# Altium PCB FMC_ADC_128CH_10B.PcbDoc (part 3 of 14) (continued)
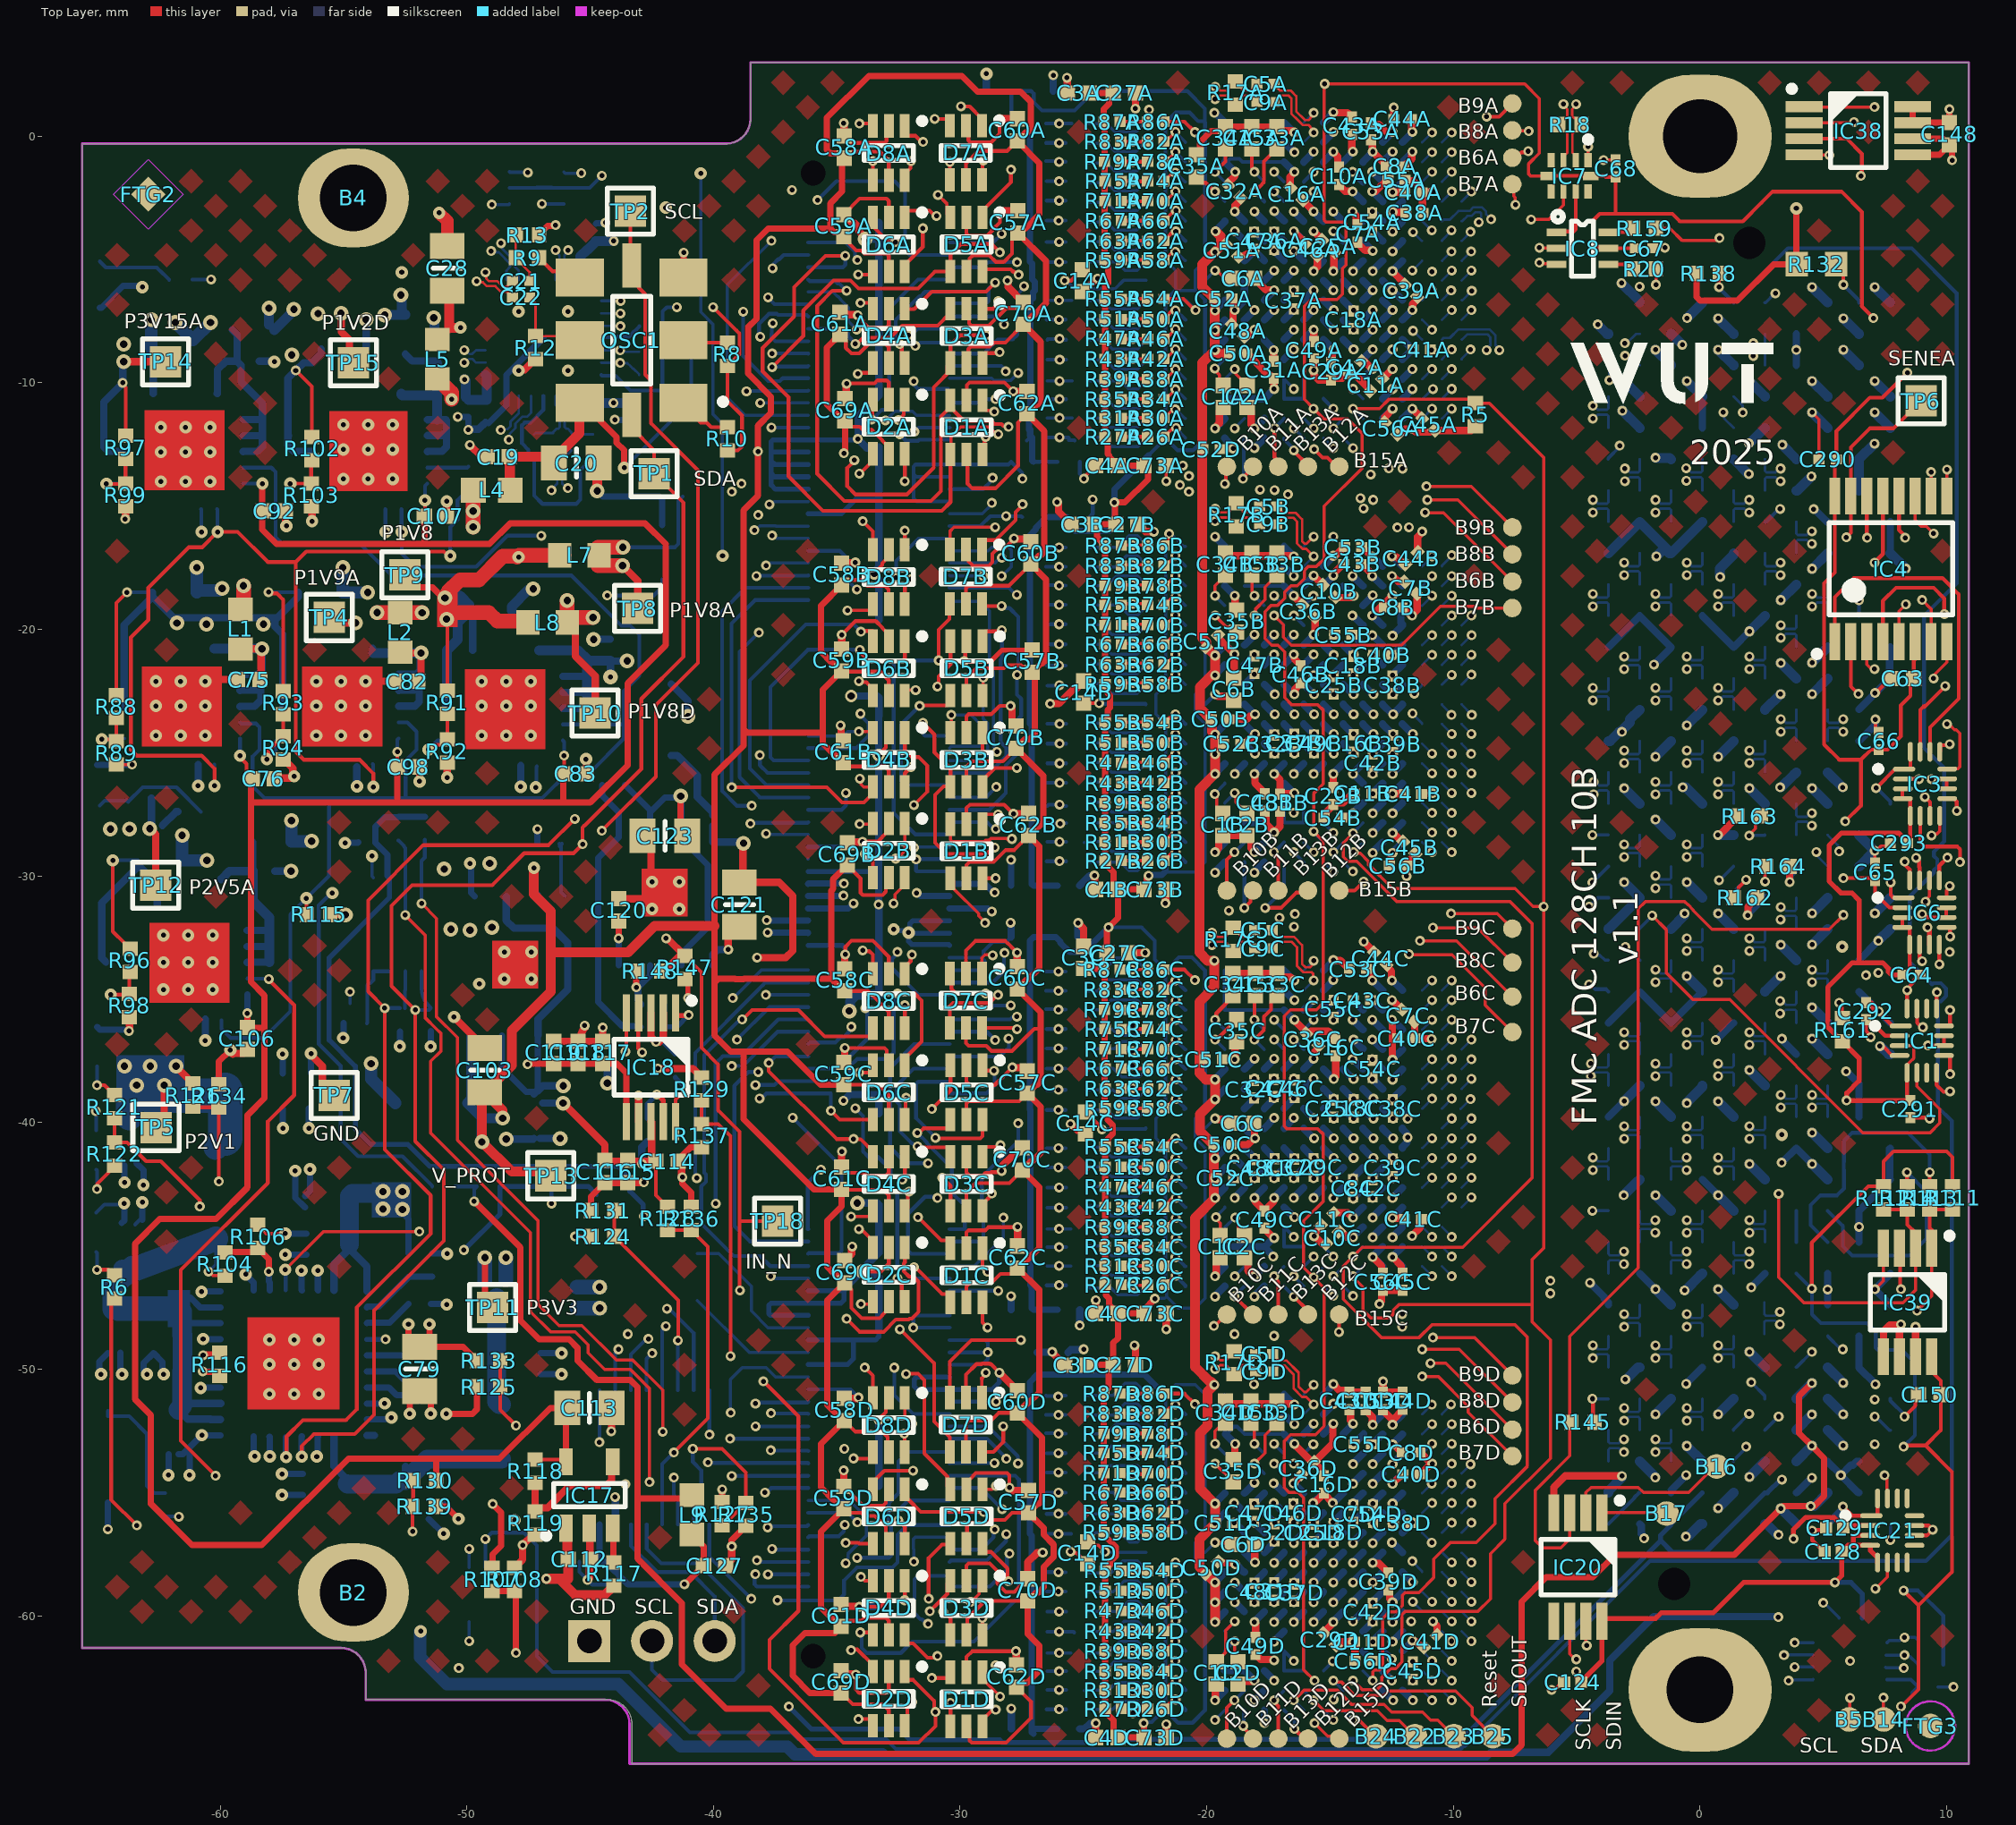
[diagram p0: Top Layer view]
## Part data (continued)
R89 R92 R94 R98: library part R0402_24K_1%_0.0625W_100PPM, "Resistor - 1%", Case=0402, Manufacturer=GENERIC, Manufacturer1 ComponentHeight=0.4mm, Manufacturer1 Example="YAGEO PHYCOMP", Manufacturer1 Part Number=232270672403L, Power=0.0625W, Tolerance=±1%, Author="CERN DEM JLC", Component Type=Standard, CreateDate=03.12.2007, HelpURL=\\cern.ch\dfs\Applications\Altium\Datasheets\R0402_Phycomp_RC0402.pdf, LatestRevisionDate=17.10.2012, Manufacturer Part Number=R0402_24K_1%_0.0625W_100PPM, Mounted=Yes, Part Description="General Purpose Thick Film Chip Resistor", Part Number=R0402_24K_1%_0.0625W_100PPM, Pin Count=2, PressFit=No, Sense=No, SMD=Yes, Socket=No, Status="Not Recommended", TC=±100ppm/°C
R91: library part R0402_30K_1%_0.0625W_100PPM, "Resistor - 1%", Case=0402, Manufacturer=GENERIC, Manufacturer1 ComponentHeight=0.4mm, Manufacturer1 Example="YAGEO PHYCOMP", Manufacturer1 Part Number=232270673003L, Power=0.0625W, Tolerance=±1%, Author="CERN DEM JLC", Component Type=Standard, CreateDate=03.12.2007, HelpURL=\\cern.ch\dfs\Applications\Altium\Datasheets\R0402_Phycomp_RC0402.pdf, LatestRevisionDate=17.10.2012, Manufacturer Part Number=R0402_30K_1%_0.0625W_100PPM, Mounted=Yes, Part Description="General Purpose Thick Film Chip Resistor", Part Number=R0402_30K_1%_0.0625W_100PPM, Pin Count=2, PressFit=No, Sense=No, SMD=Yes, Socket=No, Status="Not Recommended", TC=±100ppm/°C
R96: library part R0402_51K_1%_0.0625W_100PPM, "Resistor - 1%", Case=0402, Manufacturer=GENERIC, Manufacturer1 ComponentHeight=0.4mm, Manufacturer1 Example="YAGEO PHYCOMP", Manufacturer1 Part Number=232270675103L, Power=0.0625W, Tolerance=±1%, Author="CERN DEM JLC", Component Type=Standard, CreateDate=03.12.2007, HelpURL=\\cern.ch\dfs\Applications\Altium\Datasheets\R0402_Phycomp_RC0402.pdf, LatestRevisionDate=17.10.2012, Manufacturer Part Number=R0402_51K_1%_0.0625W_100PPM, Mounted=Yes, Part Description="General Purpose Thick Film Chip Resistor", Part Number=R0402_51K_1%_0.0625W_100PPM, Pin Count=2, PressFit=No, Sense=No, SMD=Yes, Socket=No, Status="Not Recommended", TC=±100ppm/°C
R97: library part R0402_47K_1%_0.0625W_100PPM, "Resistor - 1%", Case=0402, Manufacturer=GENERIC, Manufacturer1 ComponentHeight=0.4mm, Manufacturer1 Example="YAGEO PHYCOMP", Manufacturer1 Part Number=232270674703L, Power=0.0625W, Tolerance=±1%, Author="CERN DEM JLC", Component Type=Standard, CreateDate=03.12.2007, HelpURL=\\cern.ch\dfs\Applications\Altium\Datasheets\R0402_Phycomp_RC0402.pdf, LatestRevisionDate=17.10.2012, Manufacturer Part Number=R0402_47K_1%_0.0625W_100PPM, Mounted=Yes, Part Description="General Purpose Thick Film Chip Resistor", Part Number=R0402_47K_1%_0.0625W_100PPM, Pin Count=2, PressFit=No, Sense=No, SMD=Yes, Socket=No, Status="Not Recommended", TC=±100ppm/°C
R99: library part R0402_16K_1%_0.0625W_100PPM, "Resistor - 1%", Case=0402, Manufacturer=GENERIC, Manufacturer1 ComponentHeight=0.4mm, Manufacturer1 Example="YAGEO PHYCOMP", Manufacturer1 Part Number=232270671603L, Power=0.0625W, Tolerance=±1%, Author="CERN DEM JLC", Component Type=Standard, CreateDate=03.12.2007, HelpURL=\\cern.ch\dfs\Applications\Altium\Datasheets\R0402_Phycomp_RC0402.pdf, LatestRevisionDate=17.10.2012, Manufacturer Part Number=R0402_16K_1%_0.0625W_100PPM, Mounted=Yes, Part Description="General Purpose Thick Film Chip Resistor", Part Number=R0402_16K_1%_0.0625W_100PPM, Pin Count=2, PressFit=No, Sense=No, SMD=Yes, Socket=No, Status="Not Recommended", TC=±100ppm/°C
R103 R134: library part R0402_20K_1%_0.0625W_100PPM, "Resistor - 1%", Case=0402, Manufacturer=GENERIC, Manufacturer1 ComponentHeight=0.4mm, Manufacturer1 Example="YAGEO PHYCOMP", Manufacturer1 Part Number=232270672003L, Power=0.0625W, Tolerance=±1%, Author="CERN DEM JLC", Component Type=Standard, CreateDate=03.12.2007, HelpURL=\\cern.ch\dfs\Applications\Altium\Datasheets\R0402_Phycomp_RC0402.pdf, LatestRevisionDate=17.10.2012, Manufacturer Part Number=R0402_20K_1%_0.0625W_100PPM, Mounted=Yes, Part Description="General Purpose Thick Film Chip Resistor", Part Number=R0402_20K_1%_0.0625W_100PPM, Pin Count=2, PressFit=No, Sense=No, SMD=Yes, Socket=No, Status="Not Recommended", TC=±100ppm/°C
R104 R125: library part R0402_7K5_1%_0.0625W_100PPM, "Resistor - 1%", Case=0402, Manufacturer=GENERIC, Manufacturer1 ComponentHeight=0.4mm, Manufacturer1 Example="YAGEO PHYCOMP", Manufacturer1 Part Number=232270677502L, Power=0.0625W, Tolerance=±1%, Author="CERN DEM JLC", Component Type=Standard, CreateDate=03.12.2007, HelpURL=\\cern.ch\dfs\Applications\Altium\Datasheets\R0402_Phycomp_RC0402.pdf, LatestRevisionDate=17.10.2012, Manufacturer Part Number=R0402_7K5_1%_0.0625W_100PPM, Mounted=Yes, Part Description="General Purpose Thick Film Chip Resistor", Part Number=R0402_7K5_1%_0.0625W_100PPM, Pin Count=2, PressFit=No, Sense=No, SMD=Yes, Socket=No, Status="Not Recommended", TC=±100ppm/°C
R106 R129: library part R0402_3K_1%_0.0625W_100PPM, "Resistor - 1%", Case=0402, Manufacturer=GENERIC, Manufacturer1 ComponentHeight=0.4mm, Manufacturer1 Example="YAGEO PHYCOMP", Manufacturer1 Part Number=232270673002L, Power=0.0625W, Tolerance=±1%, Author="CERN DEM JLC", Component Type=Standard, CreateDate=03.12.2007, HelpURL=\\cern.ch\dfs\Applications\Altium\Datasheets\R0402_Phycomp_RC0402.pdf, LatestRevisionDate=17.10.2012, Manufacturer Part Number=R0402_3K_1%_0.0625W_100PPM, Mounted=Yes, Part Description="General Purpose Thick Film Chip Resistor", Part Number=R0402_3K_1%_0.0625W_100PPM, Pin Count=2, PressFit=No, Sense=No, SMD=Yes, Socket=No, Status="Not Recommended", TC=±100ppm/°C
R107: library part R0402_6K8_1%_0.0625W_100PPM, "Resistor - 1%", Case=0402, Manufacturer=GENERIC, Manufacturer1 ComponentHeight=0.4mm, Manufacturer1 Example="YAGEO PHYCOMP", Manufacturer1 Part Number=232270676802L, Power=0.0625W, Tolerance=±1%, Author="CERN DEM JLC", Component Type=Standard, CreateDate=03.12.2007, HelpURL=\\cern.ch\dfs\Applications\Altium\Datasheets\R0402_Phycomp_RC0402.pdf, LatestRevisionDate=17.10.2012, Manufacturer Part Number=R0402_6K8_1%_0.0625W_100PPM, Mounted=Yes, Part Description="General Purpose Thick Film Chip Resistor", Part Number=R0402_6K8_1%_0.0625W_100PPM, Pin Count=2, PressFit=No, Sense=No, SMD=Yes, Socket=No, Status="Not Recommended", TC=±100ppm/°C
R108 R130 R133: library part R0402_1K5_1%_0.0625W_100PPM, "Resistor - 1%", Case=0402, Manufacturer=GENERIC, Manufacturer1 ComponentHeight=0.4mm, Manufacturer1 Example="YAGEO PHYCOMP", Manufacturer1 Part Number=232270671502L, Power=0.0625W, Tolerance=±1%, Author="CERN DEM JLC", Component Type=Standard, CreateDate=03.12.2007, HelpURL=\\cern.ch\dfs\Applications\Altium\Datasheets\R0402_Phycomp_RC0402.pdf, LatestRevisionDate=17.10.2012, Manufacturer Part Number=R0402_1K5_1%_0.0625W_100PPM, Mounted=Yes, Part Description="General Purpose Thick Film Chip Resistor", Part Number=R0402_1K5_1%_0.0625W_100PPM, Pin Count=2, PressFit=No, Sense=No, SMD=Yes, Socket=No, Status="Not Recommended", TC=±100ppm/°C
R109: library part R0402_2K4_1%_0.0625W_100PPM, "Resistor - 1%", Case=0402, Manufacturer=GENERIC, Manufacturer1 ComponentHeight=0.4mm, Manufacturer1 Example="YAGEO PHYCOMP", Manufacturer1 Part Number=232270672402L, Power=0.0625W, Tolerance=±1%, Author="CERN DEM JLC", Component Type=Standard, CreateDate=03.12.2007, HelpURL=\\cern.ch\dfs\Applications\Altium\Datasheets\R0402_Phycomp_RC0402.pdf, LatestRevisionDate=17.10.2012, Manufacturer Part Number=R0402_2K4_1%_0.0625W_100PPM, Mounted=Yes, Part Description="General Purpose Thick Film Chip Resistor", Part Number=R0402_2K4_1%_0.0625W_100PPM, Pin Count=2, PressFit=No, Sense=No, SMD=Yes, Socket=No, Status="Not Recommended", TC=±100ppm/°C
R110 R119: library part R0402_1K8_1%_0.0625W_100PPM, "Resistor - 1%", Case=0402, Manufacturer=GENERIC, Manufacturer1 ComponentHeight=0.4mm, Manufacturer1 Example="YAGEO PHYCOMP", Manufacturer1 Part Number=232270671802L, Power=0.0625W, Tolerance=±1%, Author="CERN DEM JLC", Component Type=Standard, CreateDate=03.12.2007, HelpURL=\\cern.ch\dfs\Applications\Altium\Datasheets\R0402_Phycomp_RC0402.pdf, LatestRevisionDate=17.10.2012, Manufacturer Part Number=R0402_1K8_1%_0.0625W_100PPM, Mounted=Yes, Part Description="General Purpose Thick Film Chip Resistor", Part Number=R0402_1K8_1%_0.0625W_100PPM, Pin Count=2, PressFit=No, Sense=No, SMD=Yes, Socket=No, Status="Not Recommended", TC=±100ppm/°C
R113 R114: library part R0402_0R_JUMPER, "Resistor - 1%", Case=0402, Manufacturer=GENERIC, Manufacturer1 ComponentHeight=0.4mm, Manufacturer1 Example=PHYCOMP, Manufacturer1 Part Number=232270591001, Author="CERN DEM JLC", Component Type=Standard, CreateDate=2007-12-03, HelpURL=\\cern.ch\dfs\Applications\Altium\Datasheets\R0402_Phycomp_RC0402.pdf, LatestRevisionDate=2008-03-13, Manufacturer Part Number=R0402_0R_JUMPER, Mounted=Yes, Part Description="1A (0.05R Max DC Resistance) Zero Ohm Jumper", Part Number=R0402_0R_JUMPER, Pin Count=2, SMD=Yes, Socket=No, Status="Not recommended", Table="Resistors SMD"
R118: library part R0402_5K6_1%_0.0625W_100PPM, "Resistor - 1%", Case=0402, Manufacturer=GENERIC, Manufacturer1 ComponentHeight=0.4mm, Manufacturer1 Example="YAGEO PHYCOMP", Manufacturer1 Part Number=232270675602L, Power=0.0625W, Tolerance=±1%, Author="CERN DEM JLC", Component Type=Standard, CreateDate=03.12.2007, HelpURL=\\cern.ch\dfs\Applications\Altium\Datasheets\R0402_Phycomp_RC0402.pdf, LatestRevisionDate=17.10.2012, Manufacturer Part Number=R0402_5K6_1%_0.0625W_100PPM, Mounted=Yes, Part Description="General Purpose Thick Film Chip Resistor", Part Number=R0402_5K6_1%_0.0625W_100PPM, Pin Count=2, PressFit=No, Sense=No, SMD=Yes, Socket=No, Status="Not Recommended", TC=±100ppm/°C
R124 R127 R128: library part R0402_1K3_1%_0.0625W_100PPM, "Resistor - 1%", Case=0402, Manufacturer=GENERIC, Manufacturer1 ComponentHeight=0.4mm, Manufacturer1 Example="YAGEO PHYCOMP", Manufacturer1 Part Number=232270671302L, Power=0.0625W, Tolerance=±1%, Author="CERN DEM JLC", Component Type=Standard, CreateDate=03.12.2007, HelpURL=\\cern.ch\dfs\Applications\Altium\Datasheets\R0402_Phycomp_RC0402.pdf, LatestRevisionDate=17.10.2012, Manufacturer Part Number=R0402_1K3_1%_0.0625W_100PPM, Mounted=Yes, Part Description="General Purpose Thick Film Chip Resistor", Part Number=R0402_1K3_1%_0.0625W_100PPM, Pin Count=2, PressFit=No, Sense=No, SMD=Yes, Socket=No, Status="Not Recommended", TC=±100ppm/°C
R131 R135 R136: library part R0402_2K_1%_0.0625W_100PPM, "Resistor - 1%", Case=0402, Manufacturer=GENERIC, Manufacturer1 ComponentHeight=0.4mm, Manufacturer1 Example="YAGEO PHYCOMP", Manufacturer1 Part Number=232270672002L, Power=0.0625W, Tolerance=±1%, Author="CERN DEM JLC", Component Type=Standard, CreateDate=03.12.2007, HelpURL=\\cern.ch\dfs\Applications\Altium\Datasheets\R0402_Phycomp_RC0402.pdf, LatestRevisionDate=17.10.2012, Manufacturer Part Number=R0402_2K_1%_0.0625W_100PPM, Mounted=Yes, Part Description="General Purpose Thick Film Chip Resistor", Part Number=R0402_2K_1%_0.0625W_100PPM, Pin Count=2, PressFit=No, Sense=No, SMD=Yes, Socket=No, Status="Not Recommended", TC=±100ppm/°C
R132: library part R0603_4K7_1%_0.1W_100PPM, "Resistor - 1%", Case=0603, Manufacturer=GENERIC, Manufacturer1 ComponentHeight=0.55mm, Manufacturer1 Example="NIC COMPONENT", Manufacturer1 Part Number=NRC06F4701TRF, Power=0.1W, Tolerance=±1%, Author="CERN DEM JLC", Component Type=Standard, CreateDate=03/12/2007, HelpURL=\\cern.ch\dfs\Applications\Altium\Datasheets\R0603_NIC_NRC.pdf, LatestRevisionDate=13/03/2008, Manufacturer Part Number=R0603_4K7_1%_0.1W_100PPM, Mounted=Yes, Part Description="General Purpose Thick Film Chip Resistor", Part Number=R0603_4K7_1%_0.1W_100PPM, Pin Count=2, SMD=Yes, Socket=No, Status=Preferred, Table="Resistors SMD", TC=±100ppm/°C
R137: library part R0402_12K_1%_0.0625W_100PPM, "Resistor - 1%", Case=0402, Manufacturer=GENERIC, Manufacturer1 ComponentHeight=0.4mm, Manufacturer1 Example="YAGEO PHYCOMP", Manufacturer1 Part Number=232270671203L, Power=0.0625W, Tolerance=±1%, Author="CERN DEM JLC", Component Type=Standard, CreateDate=03.12.2007, HelpURL=\\cern.ch\dfs\Applications\Altium\Datasheets\R0402_Phycomp_RC0402.pdf, LatestRevisionDate=17.10.2012, Manufacturer Part Number=R0402_12K_1%_0.0625W_100PPM, Mounted=Yes, Part Description="General Purpose Thick Film Chip Resistor", Part Number=R0402_12K_1%_0.0625W_100PPM, Pin Count=2, PressFit=No, Sense=No, SMD=Yes, Socket=No, Status="Not Recommended", TC=±100ppm/°C
R160: library part R0402_100K_1%_0.0625W_100PPM, "Resistor - 1%", Case=0402, Manufacturer=GENERIC, Manufacturer1 ComponentHeight=0.4mm, Manufacturer1 Example="YAGEO PHYCOMP", Manufacturer1 Part Number=232270671004L, Power=0.0625W, Tolerance=±1%, Author="CERN DEM JLC", Component Type=Standard, CreateDate=2007-12-03, HelpURL=\\cern.ch\dfs\Applications\Altium\Datasheets\R0402_Phycomp_RC0402.pdf, LatestRevisionDate=2012-10-17, Manufacturer Part Number=R0402_100K_1%_0.0625W_100PPM, Mounted=Yes, Part Description="General Purpose Thick Film Chip Resistor", Part Number=R0402_100K_1%_0.0625W_100PPM, Pin Count=2, SMD=Yes, Socket=No, Status="Not recommended", Table="Resistors SMD", TC=±100ppm/°C
T1 T2 T3: "60 V, 115 mA, Dual N-Channel Field Effect Transistor, Enhancement Mode", Case=SOT363, Manufacturer="ON SEMICONDUCTOR", Author="CERN DEM BC", Bonding=No, Component Type=Standard, ComponentHeight=1.1mm, CreateDate=25.11.2020, Device=2N7002DW, HelpURL=\\cern.ch\dfs\Applications\Altium\Datasheets\2N7002DW.pdf, LatestRevisionDate=25.11.2020, Manufacturer Part Number=2N7002DW, Mounted=Yes, PackageDescription="SOT363, SC70-6, 0.65mm Pitch; 6 Pin, 1.25mm W X 2.00mm L X 1.10mm H body, IPC Medium Density", Part Description="60V 115mA Dual N-Channel Field Effect Transistor, Enhancement Mode", Part Number=2N7002DW, Pin Count=6, PressFit=No, Sense=No, SMD=Yes, Socket=No
TP1 TP2: library part SMD_PAD_1.27X1.27MM, "Test Point", Author="CERN DEM JLC", Component Type="Standard (No BOM)", ComponentHeight=0mm, CreateDate=12.01.2008, Family="Test Point", HelpURL=Undefined, LatestRevisionDate=12.01.2008, Mounted=No, PackageDescription="1.27mm x 1.27mm PCB Copper Area (SMD Test Point)", Part Description="1.27mm x 1.27mm PCB Copper Area (SMD Test Point)", Part Number=SMD_PAD_1.27X1.27MM, Pin Count=1, Sense=No, SMD=Yes, Socket=No, Status=None
TP3 TP4 TP5 TP6 TP7 TP8 TP9 TP10 TP11 TP12 TP13 TP14 TP15 TP18: library part SMD_PAD_1.27X1.27MM, Author="CERN DEM JLC", Component Type="Standard (No BOM)", ComponentHeight=0mm, CreateDate=12.01.2008, Family="Test Point", HelpURL=Undefined, LatestRevisionDate=12.01.2008, Mounted=No, PackageDescription="1.27mm x 1.27mm PCB Copper Area (SMD Test Point)", Part Description="1.27mm x 1.27mm PCB Copper Area (SMD Test Point)", Part Number=SMD_PAD_1.27X1.27MM, Pin Count=1, Sense=No, Socket=No, Status=None
  TP3 TP6: SMD=Yes
  TP4 TP5 TP7 TP8 TP9 TP10 TP11 TP12 TP13 TP14 TP15 TP18: SMD=No
TP16 TP17: library part SMD_PAD_D1MM, "Pad", Author="CERN DEM JLC", Component Type="Standard (No BOM)", ComponentHeight=0mm, CreateDate=10.10.2017, Family="SMD Pad", HelpURL=Undefined, LatestRevisionDate=10.10.2017, Mounted=No, PackageDescription="1mm Diameter SMD Pad", Part Description="1mm Diameter SMD Pad", Part Number=SMD_PAD_D1MM, Pin Count=1, Sense=No, SMD=Yes, Socket=No, Status=None
U1A U1B U1C U1D: library part AFE58JD32ZBV, "32-Channel Ultrasound AFE with 41.5-mW/Channel Power, 1.5nV/√Hz Noise, 12-Bit, 40-MSPS or 10-Bit, 50-MSPS output and Passive CW Mixer, ZBV0289A (NFBGA-289)", Alternate Manufacturer="Texas Instruments", ComponentLink1Description="Datasheet Link", ComponentLink1URL=https://sps06.itg.ti.com/sites/KMS/crossdivteams/altium/docs/ComponentDatasheets/AFE58JD32_Rev1.2.pdf, CompType=IC, LatestRevisionDate=2017-06-06, Manufacturer="Texas Instruments", MountType=SMT, PackageDescription=NFBGA-289, PackageReference=ZBV0289A, PartNumber=AFE5832ZBV, Publisher="Texas Instruments", SizeArea_mm2=225, SizeAreaWB_mm2=289, SizeX_mm=15, SizeY_mm=15, SizeZ_mm=1.8, SymbolCreator=Altium, SymbolVersion=2017-06-05, U/M=EA

## Via types
v1: diameter 0.4, hole 0.2, Top Layer to Bottom Layer, tented both sides, 1806 vias
v2: diameter 0.5, hole 0.2, Top Layer to Bottom Layer, tented both sides, 181 vias
v3: diameter 0.6, hole 0.3, Top Layer to Bottom Layer, tented both sides, 81 vias
v4: diameter 0.5, hole 0.3, Top Layer to Bottom Layer, tented both sides, 3 vias
v5: diameter 0.6, hole 0.2, Top Layer to Bottom Layer, tented both sides, 1 vias

## Nets (pads, with @x,y where several pads share a name; then routed paths per layer and width w, separated by ;. In a path a pad name is that pad's centre, name@x,y a point inside that pad or via, vN(x,y) a via of type N, cw(c..) or ccw(c..) an arc to the next point about the centre after c; other vN are vias at no path point)
3P3VAUX: C148.1 C149.1 C150.1 IC2.8 IC38.7 IC38.8 IC39.8 J1.41 J6.d32 R4.2 R7.2 R111.2 R112.2 | length 196.6
  Top Layer w0.152: v1(4.53,-46.731) 4.53,-44.87 6.82,-42.58 R112.2@7.437,-42.58 7.437,-41.569 7.846,-41.16 9.998,-41.16 10.237,-41.399 R111.2@10.237,-42.58 ; v1(8.147,-63.674) 8.166,-63.674 8.858,-62.982 8.858,-59.579 ; v1@8.249,-58.969 8.858,-59.579 ; v1(8.249,-53.137) 8.296,-53.09 9.143,-53.09 ; IC39.8@9.387,-49.487 9.387,-50.091 9.762,-50.466 C150.1@9.762,-51.029 9.762,-52.47 9.143,-53.09 ; 8.858,-59.579 10.217,-58.22 10.217,-54.164 9.143,-53.09
  Top Layer w0.254: IC38.8@8.618,1.202 IC38.7@8.618,0.552 IC38.7@9.341,0.552 ; IC38.7@9.342,0.552 C148.1@10.108,0.552 v1(10.108,1.095)
  Int3 (Sign) w0.152: v1(-28.683,-13.85) -27.803,-12.969 -20.626,-12.969 -20.133,-13.462 -20.133,-14.864 -20.394,-15.125 -20.394,-33.757 -20.092,-34.058 -20.092,-64.629 -19.747,-64.974 -13.676,-64.974 -13.29,-64.588 -9.118,-64.588 -2.147,-57.618 6.905,-57.618 v1(8.256,-58.969) ; v1(4.53,-46.731) 4.53,-44.686 5.34,-43.876 5.34,-37.083 6.293,-36.13 6.293,-35.864 8.39,-33.766 8.39,-33.516 8.872,-33.034 10.079,-33.034 v1(10.119,-33.075)
  Int6 (Sign) w0.254: v1(10.108,1.095) 8.846,-0.167 8.846,-17.165 9.437,-17.755 9.437,-18.621 9.441,-18.625 9.441,-19.372 8.399,-20.414 8.399,-26.456 7.783,-27.072 7.783,-27.61 9.312,-29.138 9.312,-30.323 9.644,-30.654 9.644,-32.599 v1(10.119,-33.075)
  Bottom Layer w0.152: J1.41@-30.428,-14.31 -29.064,-14.31 -28.731,-13.976 -28.731,-13.897 v1(-28.683,-13.85) ; J6.d32@3.903,-46.114 4.54,-46.752 4.54,-47.773 4.896,-48.129 6.776,-48.129 7.124,-48.478 7.124,-49.13 7.214,-49.219 8.187,-49.219 8.71,-49.741 8.71,-52.676 v1(8.249,-53.137) ; IC2.8@7.585,-62.58 8.546,-62.58 C149.1@8.841,-62.876 8.608,-63.11 8.608,-63.213 v1(8.147,-63.674) ; v1(8.256,-58.969) 8.838,-58.969 9.861,-59.993 R7.2@9.861,-61.976
A: IC18.10 R143.2 R147.2 | length 7.5
  Top Layer w0.15: IC18.10@-41.532,-39.953 -41.532,-39.058 -41.228,-38.754 v1(-41.122,-38.754)
  Top Layer w0.2: R147.2@-41.154,-34.183 -41.034,-34.303 v1@-41.034,-34.943
  Int3 (Sign) w0.2: v1(-41.122,-38.754) -41.122,-36.927 -41.646,-36.404 -41.646,-35.277 -41.314,-34.946 v1(-41.03,-34.946)
  Bottom Layer w0.2: R143.2@-41.55,-38.163 -41.122,-38.59 v1(-41.122,-38.754)
ADC_CLKA_N: C9A.1 IC5.17 R17A.1 | length 44.1
  Top Layer w0.1: v1(-19.667,1.5) -19.614,1.5 -19.459,1.655 -19.161,1.655 -19.102,1.596 -19.102,1.525 R17A.1@-18.862,1.285 ; R17A.1@-18.842,1.285 -18.822,1.285 -18.582,1.525 -18.582,1.596 -18.524,1.655 -18.201,1.655 -18.142,1.596 -18.142,1.535 -17.992,1.385 C9A.1@-17.967,1.385 C9A.1@-17.967,1.285
  Int4 (Sign) w0.091: v1(-50.1,-8.673) -50.167,-8.673 -50.296,-8.802 -51.131,-8.802 -51.842,-8.091 -51.842,-4.777 -49.257,-2.191 -38.742,-2.191 ; -38.742,-2.18 -38.742,-2.191 ; v1@-19.667,1.413 -19.941,1.687 -29.156,1.687 -29.571,2.102 -34.444,2.102 -38.737,-2.191 -38.742,-2.191
  Bottom Layer w0.1: v1(-50.1,-8.673) -50.046,-8.673 -49.891,-8.828 -49.777,-8.828 -49.627,-8.678 IC5.17@-49.244,-8.678
ADC_CLKA_P: C5A.1 IC5.16 R17A.2 | length 44.8
  Top Layer w0.1: v1(-19.667,2.01) -19.614,2.01 -19.459,1.855 -19.161,1.855 -19.102,1.913 -19.102,1.985 -18.862,2.225 R17A.2@-18.842,2.225 -18.822,2.225 -18.582,1.985 -18.582,1.913 -18.524,1.855 -18.201,1.855 -18.142,1.913 -18.142,1.975 -17.992,2.125 C5A.1@-17.967,2.125 C5A.1@-17.967,2.225
  Int4 (Sign) w0.091: v1(-50.1,-9.183) -50.167,-9.183 -50.307,-9.043 -51.231,-9.043 -52.083,-8.191 -52.083,-4.677 -49.357,-1.95 -38.837,-1.95 -34.544,2.343 -29.471,2.343 -29.056,1.928 -19.841,1.928 -19.838,1.925 -19.815,1.949 -19.706,1.949 v1@-19.667,1.91
  Bottom Layer w0.1: v1(-50.1,-9.183) -50.046,-9.183 -49.891,-9.028 -49.777,-9.028 -49.627,-9.178 IC5.16@-49.244,-9.178
ADC_CLKB_N: C9B.1 IC5.23 R17B.1 | length 42.8
  Top Layer w0.1: v1(-19.666,-15.611) -19.612,-15.611 -19.457,-15.456 -19.245,-15.456 -19.122,-15.456 -19.063,-15.515 -19.063,-15.586 -18.823,-15.826 R17B.1@-18.803,-15.826 -18.783,-15.826 -18.543,-15.586 -18.543,-15.515 -18.485,-15.456 -18.361,-15.456 -18.347,-15.471 -18.092,-15.471 -18.034,-15.529 -18.034,-15.578 -17.884,-15.728 C9B.1@-17.859,-15.728
  Int4 (Sign) w0.091: v1(-48.615,-4.336) -48.663,-4.288 -48.844,-4.288 -49.039,-4.093 -49.039,-3.736 -48.637,-3.335 -46.61,-3.335 -46.305,-3.03 -44.065,-3.03 -40.781,-6.314 -40.781,-6.999 -40.781,-7.194 ; v1(-19.666,-15.611) -19.733,-15.611 -19.862,-15.482 -20.651,-15.482 -21.378,-14.755 -23.233,-14.755 -24.477,-13.511 -29.405,-13.511 -30.525,-14.631 -35.467,-14.631 -35.662,-14.631 ; -40.781,-7.194 -40.77,-7.194 -40.781,-7.194 ; -40.781,-7.194 -40.781,-7.198 -39.641,-8.338 -39.641,-10.657 -35.667,-14.631 -35.662,-14.631 ; -35.662,-14.631 -35.662,-14.62 -35.662,-14.631
  Bottom Layer w0.1: v1(-48.615,-4.336) -48.558,-4.394 -48.558,-4.568 -48.044,-5.082 -48.044,-5.295 -47.894,-5.445 IC5.23@-47.894,-5.828
ADC_CLKB_P: C5B.1 IC5.22 R17B.2 | length 43.2
  Top Layer w0.1: v1(-19.666,-15.101) -19.612,-15.101 -19.457,-15.256 -19.328,-15.256 -19.122,-15.256 -19.063,-15.198 -19.063,-15.126 -18.823,-14.886 R17B.2@-18.803,-14.886 -18.783,-14.886 -18.543,-15.126 -18.543,-15.198 -18.485,-15.256 -18.278,-15.256 -18.264,-15.271 -18.092,-15.271 -18.033,-15.212 -18.033,-15.163 -17.883,-15.013 C5B.1@-17.858,-15.013
  Int4 (Sign) w0.091: v1(-49.012,-4.656) -49.061,-4.608 -49.061,-4.412 -49.28,-4.193 -49.28,-3.636 -48.737,-3.094 -46.71,-3.094 -46.405,-2.789 -43.965,-2.789 -40.54,-6.214 -40.54,-7.099 -39.4,-8.239 -39.4,-10.557 -35.567,-14.39 -30.625,-14.39 -29.504,-13.27 -24.377,-13.27 -23.133,-14.514 -21.278,-14.514 -20.551,-15.241 -19.873,-15.241 -19.733,-15.101 v1(-19.666,-15.101)
  Bottom Layer w0.1: v1(-49.012,-4.656) -48.963,-4.705 -48.704,-4.705 -48.244,-5.165 -48.244,-5.295 -48.394,-5.445 IC5.22@-48.394,-5.828
ADC_CLKC_N: C9C.1 IC5.27 R17C.1 | length 54.3
  Top Layer w0.1: v1(-19.792,-32.799) -19.718,-32.799 -19.583,-32.664 -19.244,-32.664 -19.186,-32.722 -19.186,-32.794 -18.946,-33.034 R17C.1@-18.926,-33.034 -18.906,-33.034 -18.666,-32.794 -18.666,-32.722 -18.607,-32.664 -18.284,-32.664 -18.226,-32.722 -18.226,-32.784 -18.076,-32.934 C9C.1@-18.051,-32.934
  Int4 (Sign) w0.091: v1(-45.889,-4.619) -45.889,-4.552 -46.018,-4.423 -46.018,-4.104 -45.884,-3.97 -44.888,-3.97 -44.631,-4.227 -44.631,-4.713 -44.631,-4.908 -44.631,-4.913 -40.434,-9.11 -40.434,-28.632 -37.32,-31.746 -37.316,-31.746 -37.121,-31.746 -31.144,-31.746 -30.22,-32.67 -19.988,-32.67 -19.859,-32.799 v1(-19.792,-32.799)
  Bottom Layer w0.1: IC5.27@-45.894,-5.828 -45.894,-5.445 -46.044,-5.295 -46.044,-5.096 -46.044,-4.828 -45.889,-4.673 v1(-45.889,-4.619)
ADC_CLKC_P: C5C.1 IC5.26 R17C.2 | length 54.7
  Top Layer w0.1: v1(-19.792,-32.289) -19.759,-32.289 -19.583,-32.464 -19.244,-32.464 -19.186,-32.405 -19.186,-32.334 -18.946,-32.094 R17C.2@-18.926,-32.094 -18.906,-32.094 -18.666,-32.334 -18.666,-32.405 -18.607,-32.464 -18.284,-32.464 -18.226,-32.405 -18.226,-32.344 -18.076,-32.194 C5C.1@-18.051,-32.194
  Int4 (Sign) w0.091: v1(-46.399,-4.619) -46.399,-4.552 -46.259,-4.412 -46.259,-4.004 -45.984,-3.729 -44.788,-3.729 -44.39,-4.127 -44.39,-4.813 -40.193,-9.01 -40.193,-28.532 -37.22,-31.505 -31.044,-31.505 -30.12,-32.429 -19.999,-32.429 -19.859,-32.289 v1(-19.792,-32.289)
  Bottom Layer w0.1: v1(-46.399,-4.619) -46.399,-4.673 -46.244,-4.828 -46.244,-5.179 -46.244,-5.295 -46.394,-5.445 IC5.26@-46.394,-5.828
ADC_CLKD_N: C9D.1 IC5.3 R17D.1 | length 66
  Top Layer w0.1: v1(-19.666,-49.989) -19.612,-49.989 -19.457,-49.834 -19.206,-49.834 -19.147,-49.893 -19.147,-49.964 -18.907,-50.204 R17D.1@-18.887,-50.204 -18.867,-50.204 -18.627,-49.964 -18.627,-49.893 -18.569,-49.834 -18.431,-49.834 -18.425,-49.84 -18.254,-49.84 -18.194,-49.9 -18.194,-49.943 -18.044,-50.093 C9D.1@-18.019,-50.093
  Int4 (Sign) w0.091: v1(-43.768,-7.698) -43.701,-7.698 -43.572,-7.569 -43.342,-7.569 -42.023,-8.888 -42.023,-28.391 -39.979,-30.435 -39.979,-38.692 -39.505,-39.167 -39.505,-47.17 -37.72,-48.954 -28.404,-48.954 -27.469,-49.89 -22.909,-49.89 -22.587,-49.567 -21.434,-49.567 -21.152,-49.849 -19.873,-49.849 -19.733,-49.989 v1(-19.666,-49.989)
  Bottom Layer w0.1: IC5.3@-44.544,-7.678 -44.534,-7.688 -43.778,-7.688 v1(-43.768,-7.698)
ADC_CLKD_P: C5D.1 IC5.2 R17D.2 | length 66
  Top Layer w0.1: v1(-19.666,-49.479) -19.612,-49.479 -19.457,-49.634 -19.206,-49.634 -19.147,-49.575 -19.147,-49.504 -18.907,-49.264 R17D.2@-18.887,-49.264 -18.867,-49.264 -18.627,-49.504 -18.627,-49.575 -18.569,-49.634 -18.348,-49.634 -18.342,-49.64 -18.259,-49.64 -18.201,-49.581 -18.201,-49.537 -18.051,-49.387 C5D.1@-18.026,-49.387
  Int4 (Sign) w0.091: v1(-43.769,-7.188) -43.702,-7.188 -43.562,-7.328 -43.242,-7.328 -41.782,-8.789 -41.782,-28.291 -39.738,-30.335 -39.738,-38.593 -39.267,-39.064 -39.264,-39.067 -39.264,-39.267 -39.264,-47.07 -37.62,-48.713 -28.304,-48.713 -27.369,-49.649 -23.009,-49.649 -22.686,-49.326 -21.334,-49.326 -21.052,-49.608 -19.862,-49.608 -19.733,-49.479 v1(-19.666,-49.479)
  Bottom Layer w0.1: IC5.2@-44.544,-7.178 -44.539,-7.183 -43.774,-7.183 v1(-43.769,-7.188)
ADCCLKA_N: C9A.2 U1A.J2 | length 3.4
  Top Layer w0.1: C9A.2@-17.267,1.385 -17.242,1.385 -17.092,1.535 -17.092,1.596 -17.034,1.655 -16.684,1.655 -16.569,1.54 -16.569,0.921 -16.286,0.638 -16.103,0.455 -15.862,0.455 -15.803,0.396 -15.803,0.372 -15.667,0.236 v1(-15.667,0.155)
  Bottom Layer w0.1: U1A.J2@-16.067,-0.245 v1(-15.667,0.155)
ADCCLKA_P: C5A.2 U1A.J1 | length 3.4
  Top Layer w0.1: C5A.2@-17.267,2.125 -17.242,2.125 -17.092,1.975 -17.092,1.913 -17.034,1.855 -16.601,1.855 -16.369,1.623 -16.369,1.003 -16.02,0.655 -15.862,0.655 -15.803,0.713 -15.803,0.737 -15.667,0.874 v1(-15.667,0.955)
  Bottom Layer w0.1: U1A.J1@-16.067,0.555 v1(-15.667,0.955)
ADCCLKB_N: C9B.2 U1B.J2 | length 3.4
  Top Layer w0.1: C9B.2@-17.159,-15.728 -17.134,-15.728 -16.984,-15.578 -16.984,-15.53 -16.925,-15.471 -16.484,-15.471 -16.335,-15.62 -16.335,-16.509 -16.111,-16.732 -15.969,-16.732 v1(-15.667,-17.034)
  Bottom Layer w0.1: U1B.J2@-16.067,-17.434 v1(-15.667,-17.034)
ADCCLKB_P: C5B.2 U1B.J1 | length 3.4
  Top Layer w0.1: C5B.2@-17.158,-15.013 -17.133,-15.013 -16.983,-15.163 -16.983,-15.212 -16.924,-15.271 -16.401,-15.271 -16.135,-15.537 -16.135,-16.426 -16.039,-16.522 -15.956,-16.522 v1(-15.667,-16.234)
  Bottom Layer w0.1: U1B.J1@-16.067,-16.634 v1(-15.667,-16.234)
ADCCLKC_N: C9C.2 U1C.J2 | length 3.6
  Top Layer w0.1: C9C.2@-17.351,-32.934 -17.326,-32.934 -17.176,-32.784 -17.176,-32.722 -17.117,-32.664 -16.556,-32.664 -16.335,-32.885 -16.335,-33.646 -16.082,-33.899 -15.749,-33.899 -15.69,-33.958 -15.69,-34.207 v1(-15.667,-34.23)
  Bottom Layer w0.1: U1C.J2@-16.067,-34.63 v1(-15.667,-34.23)
ADCCLKC_P: C5C.2 U1C.J1 | length 3.5
  Top Layer w0.1: C5C.2@-17.351,-32.194 -17.326,-32.194 -17.176,-32.344 -17.176,-32.405 -17.117,-32.464 -16.474,-32.464 -16.135,-32.802 -16.135,-33.563 -15.999,-33.699 -15.81,-33.699 -15.725,-33.613 -15.725,-33.487 v1(-15.667,-33.43)
  Bottom Layer w0.1: U1C.J1@-16.067,-33.83 v1(-15.667,-33.43)
ADCCLKD_N: C9D.2 U1D.J2 | length 3.3
  Top Layer w0.1: C9D.2@-17.319,-50.093 -17.294,-50.093 -17.144,-49.943 -17.144,-49.897 -17.086,-49.838 -16.944,-49.838 -16.943,-49.84 -16.852,-49.84 -16.476,-50.216 -16.476,-50.783 -16.134,-51.125 -15.967,-51.125 v1(-15.667,-51.425)
  Bottom Layer w0.1: U1D.J2@-16.067,-51.825 v1(-15.667,-51.425)
ADCCLKD_P: C5D.2 U1D.J1 | length 3.3
  Top Layer w0.1: C5D.2@-17.326,-49.387 -17.301,-49.387 -17.151,-49.537 -17.151,-49.58 -17.092,-49.638 -16.862,-49.638 -16.86,-49.64 -16.769,-49.64 -16.276,-50.133 -16.276,-50.7 -16.051,-50.925 -15.967,-50.925 v1(-15.667,-50.625)
  Bottom Layer w0.1: U1D.J1@-16.067,-51.025 v1(-15.667,-50.625)
B: IC18.9 R141.1 | length 2.3
  Top Layer w0.2: v1(-42.293,-38.859) -42.278,-38.859 -42.032,-39.104 IC18.9@-42.032,-39.953
  Bottom Layer w0.2: R141.1@-42.683,-39.832 -42.683,-39.249 v1(-42.293,-38.859)
CAL_ON: IC21.15 J1.146 | length 81.1
  Top Layer w0.127: v1(7.482,-54.301) 7.585,-54.404 7.585,-55.226 IC21.15@7.597,-55.238
  Int6 (Sign) w0.127: v1(-39.301,-51.758) -39.765,-52.222 -39.765,-54.077 -40.513,-54.825 -40.513,-58.042 -37.909,-60.645 -37.909,-61.604 -36.226,-63.287 -33.22,-63.287 -31.919,-64.588 -25.482,-64.588 -24.751,-63.857 -23.701,-63.857 -23.371,-63.527 -22.283,-63.527 -21.933,-63.878 -19.819,-63.878 -19.814,-63.872 -19.521,-63.872 -19.515,-63.878 -15.019,-63.878 -15.014,-63.872 -14.721,-63.872 -14.715,-63.878 -14.4,-63.878 -14.394,-63.872 -14.214,-63.872 -13.509,-63.872 -13.086,-64.295 -5.885,-64.295 -4.615,-63.025 -4.615,-61.736 -3.938,-61.059 -3.938,-59.85 -1.668,-57.58 0.62,-57.58 3.372,-54.828 3.461,-54.828 3.668,-54.621 3.668,-49.134 4.358,-48.444 6.047,-48.444 7.658,-50.055 7.658,-53.386 7.482,-53.563 v1(7.482,-54.301)
  Bottom Layer w0.127: v1(-39.301,-51.758) -39.309,-51.766 -39.309,-50.416 -38.83,-49.937 -37.863,-49.937 -37.485,-50.315 J1.146@-36.158,-50.315
CLK0_M2C_N: J6.h5
CLK0_M2C_P: J6.h4
CLK1_M2C_N: J6.g3
CLK1_M2C_P: J6.g2
CLK2_BIDIR_N: IC7.3 J6.k5 R18.1 | length 17.4
  Top Layer w0.1: IC7.3@-5.538,-0.968 -5.538,-0.805 -5.463,-0.73 -5.442,-0.73 -5.383,-0.672 -5.383,0.118 -5.48,0.215 -5.5,0.215 -5.74,0.455 R18.1@-5.74,0.475 -5.74,0.495 -5.5,0.735 -5.442,0.735 -5.383,0.793 -5.383,1.095 -5.538,1.25 v1(-5.538,1.303)
  Int6 (Sign) w0.091: v1(-5.538,1.303) -5.538,1.236 -5.398,1.096 -5.398,-1.002 -5.103,-1.298 -5.103,-10.975 -4.774,-11.304 -4.557,-11.304 -4.417,-11.444 v1(-4.35,-11.444)
  Bottom Layer w0.1: v1(-4.35,-11.444) -4.296,-11.444 -4.141,-11.289 -3.858,-11.289 -3.776,-11.289 -3.717,-11.348 J6.k5@-3.717,-11.824
CLK2_BIDIR_P: IC7.2 J6.k4 R18.2 | length 17
  Top Layer w0.1: IC7.2@-5.038,-0.968 -5.038,-0.805 -5.113,-0.73 -5.115,-0.73 -5.173,-0.672 -5.173,0.102 -5.06,0.215 -5.04,0.215 -4.8,0.455 R18.2@-4.8,0.475 -4.8,0.495 -5.04,0.735 -5.111,0.735 -5.183,0.807 -5.183,1.095 -5.028,1.25 v1(-5.028,1.303)
  Int6 (Sign) w0.091: v1(-5.028,1.303) -5.028,1.236 -5.168,1.096 -5.168,-0.907 -4.873,-1.203 -4.873,-10.88 -4.678,-11.074 -4.557,-11.074 -4.417,-10.934 v1(-4.35,-10.934)
  Bottom Layer w0.1: v1(-4.35,-10.934) -4.296,-10.934 -4.141,-11.089 -3.941,-11.089 -3.776,-11.089 -3.717,-11.031 J6.k4@-3.717,-10.554